# Altium PCB 光轴hitbox.pcbdoc
Units mil, origin at the board's own origin, x right, y up, seen from the top; angles counter-clockwise.
Board outline 10826.75 x 7086.6 mil, 2 copper layers (Top Layer, Bottom Layer), stack 62.206 mil thick; 60 components, 49 nets, 236 pads, 79 vias.
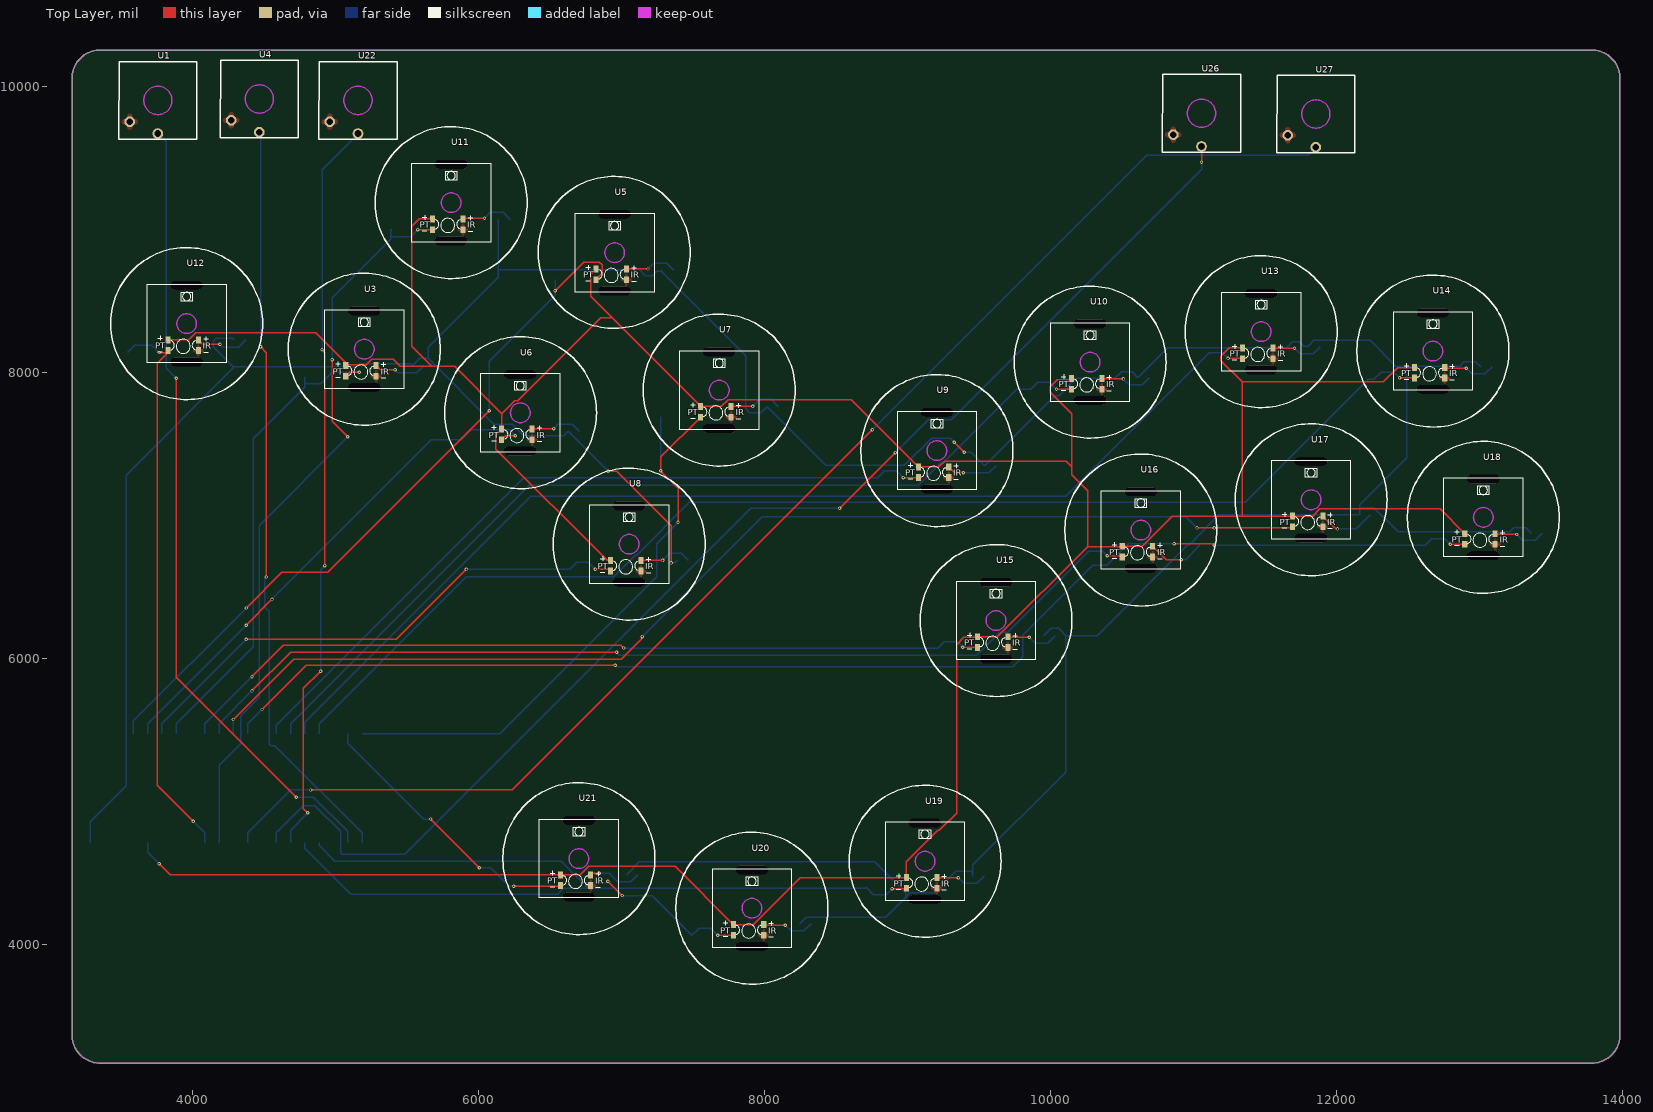
[diagram p0: Top Layer view]
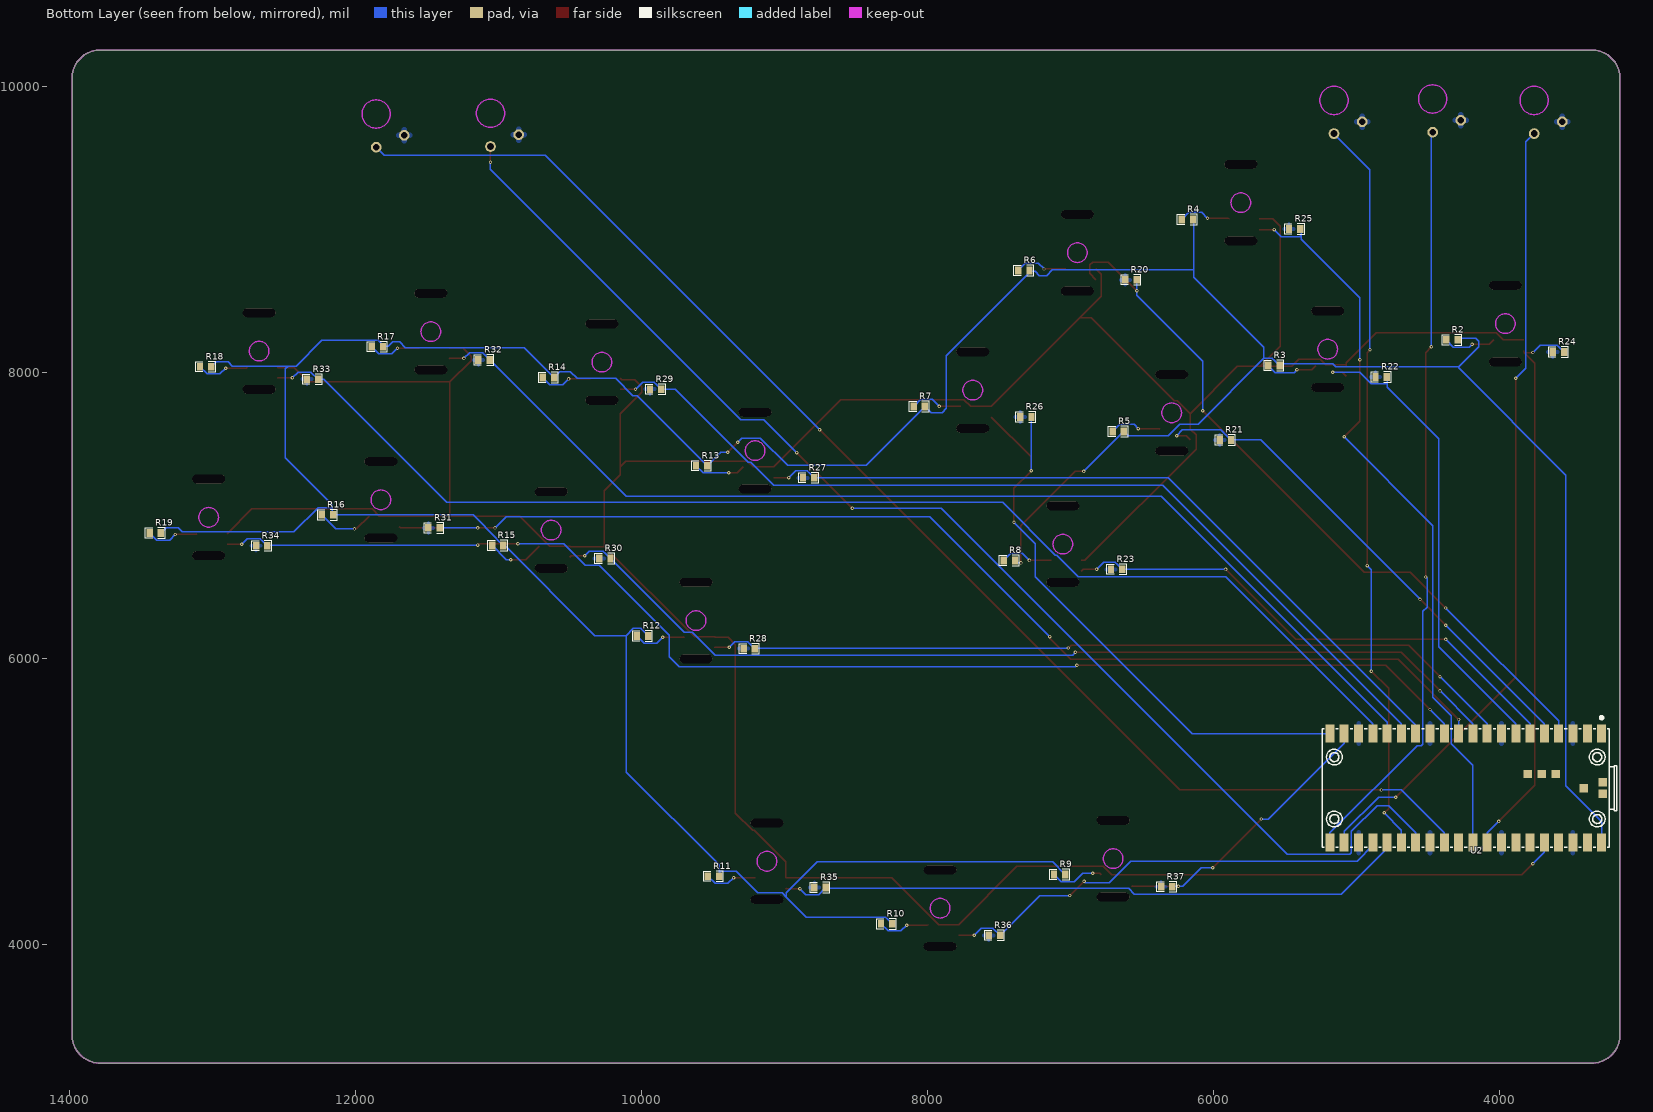
[diagram p1: Bottom Layer view, seen from below]

## Layer stack, top to bottom
Top Solder Mask Layer: solder mask 0.394, Dk 3.3
Top Layer: signal copper 1.379
Dielectric1: surface 59.449, FR4, Dk 4.5
Bottom Layer: signal copper 1.378
Bottom Solder Mask Layer: solder mask 0.394, Dk 3.3

## Board outline
3155,10060.15 cw(c3351.85,10060.15) 3351.85,10257 13784.9,10257 cw(c13784.9,10060.15) 13981.75,10060.15 13981.75,3367.25 cw(c13784.9,3367.25) 13784.9,3170.4 3351.85,3170.4 cw(c3351.85,3367.25) 3155,3367.25

## Design rules (kind name [scope] priority, off if disabled: settings)
BoardOutlineClearance Default [All] p0: genericclearance=10 ignorepadtopadclearanceinfootprint=FALSE except(0: Arc-SplitContinuation Track-SplitContinuation SMDPad-SplitContinuation THPad-SplitContinuation Via-SplitContinuation Fill-SplitContinuation Poly-SplitContinuation Region-SplitContinuation Text-SplitContinuation)
BoardOutlineClearance Plane_Default [All] p0: genericclearance=10 ignorepadtopadclearanceinfootprint=FALSE except(0: Arc-SplitContinuation Track-SplitContinuation SMDPad-SplitContinuation THPad-SplitContinuation Via-SplitContinuation Fill-SplitContinuation Poly-SplitContinuation Region-SplitContinuation Text-SplitContinuation)
BoardOutlineClearance Copper_Default [All] p0: genericclearance=10 ignorepadtopadclearanceinfootprint=FALSE except(0: Arc-SplitContinuation Track-SplitContinuation SMDPad-SplitContinuation THPad-SplitContinuation Via-SplitContinuation Fill-SplitContinuation Poly-SplitContinuation Region-SplitContinuation Text-SplitContinuation)
BoardOutlineClearance Copper_gge31805 [All] p0: genericclearance=10 ignorepadtopadclearanceinfootprint=FALSE except(0: Arc-SplitContinuation Track-SplitContinuation SMDPad-SplitContinuation THPad-SplitContinuation Via-SplitContinuation Fill-SplitContinuation Poly-SplitContinuation Region-SplitContinuation Text-SplitContinuation)
BoardOutlineClearance Copper_gge31799 [All] p0: genericclearance=10 ignorepadtopadclearanceinfootprint=FALSE except(0: Arc-SplitContinuation Track-SplitContinuation SMDPad-SplitContinuation THPad-SplitContinuation Via-SplitContinuation Fill-SplitContinuation Poly-SplitContinuation Region-SplitContinuation Text-SplitContinuation)
BoardOutlineClearance otherClearance [All] p0: genericclearance=10 ignorepadtopadclearanceinfootprint=FALSE except(0: Arc-SplitContinuation Track-SplitContinuation SMDPad-SplitContinuation THPad-SplitContinuation Via-SplitContinuation Fill-SplitContinuation Poly-SplitContinuation Region-SplitContinuation Text-SplitContinuation)
Clearance Default [All] p1: gap=7 ignorepadtopadclearanceinfootprint=FALSE
Clearance Plane_Default [All] p1: gap=7 ignorepadtopadclearanceinfootprint=FALSE
Clearance Copper_Default [All] p1: gap=7 ignorepadtopadclearanceinfootprint=FALSE
Clearance Copper_gge31805 [All] p1: gap=7 ignorepadtopadclearanceinfootprint=FALSE
Clearance Copper_gge31799 [All] p1: gap=7 ignorepadtopadclearanceinfootprint=FALSE
Clearance otherClearance [All] p1: gap=7 ignorepadtopadclearanceinfootprint=FALSE
DiffPairsRouting differentialPair [All] p1: maxuncoupledlength=10 minlimit=6 maxlimit=Infinity mostfreqgap=6 toplayer_minwidth=5 toplayer_prefwidth=10 toplayer_maxwidth=100 bottomlayer_minwidth=5 bottomlayer_prefwidth=10 bottomlayer_maxwidth=100
PasteMaskExpansion Common [All] p1: expansion=0
PlaneConnect Default [All] p1: planeconnectstyle=Relief reliefexpansion=20 reliefentries=4 reliefconductorwidth=0 reliefairgap=10
PolygonConnect Default [All] p1: connectstyle=Relief reliefentries=4 reliefconductorwidth=0 polygonreliefangle="90 Angle" airgapwidth=1
PolygonConnect gge31805 [All] p1: connectstyle=Relief reliefentries=4 reliefconductorwidth=0 polygonreliefangle="90 Angle" airgapwidth=1
PolygonConnect gge31799 [All] p1: connectstyle=Relief reliefentries=4 reliefconductorwidth=0 polygonreliefangle="90 Angle" airgapwidth=1
RoutingVias Default [All] p1: viastyle="Through Hole" holewidth=12 minholewidth=12 maxholewidth=2362 width=12 minwidth=12 maxwidth=2362
SolderMaskExpansion Common [All] p1: useseparateexpansions=TRUE expansion=2 expansionbottom=2
Width Default [All] p1: maxlimit=1000 minlimit=10 preferedwidth=10

## Components (designator, comment, footprint, x,y, rotation, side; value= is the part's Value field where it differs from the comment)
R2 "R0805" R0805 4330,8230 r180 bottom
R3 "R0805" R0805 5575,8050 r180 bottom
R4 "R0805" R0805 6180.57,9071.15 r180 bottom
R5 "R0805" R0805 6664.02,7589.57 r180 bottom
R6 "R0805" R0805 7324.02,8715.89 r180 bottom
R7 "R0805" R0805 8055.85,7763.26 r180 bottom
R8 "R0805" R0805 7425.71,6686.94 r180 bottom
R9 "R0805" R0805 7073.94,4489.69 r180 bottom
R10 "R0805" R0805 8284.51,4145.25 r180 bottom
R11 "R0805" R0805 9495.3,4478.58 r180 bottom
R12 "R0805" R0805 9991.63,6159.14 r180 bottom
R13 "R0805" R0805 9578.55,7349.88 r180 bottom
R14 "R0805" R0805 10649.71,7966.55 r180 bottom
R15 "R0805" R0805 11004.55,6791.94 r180 bottom
R16 "R0805" R0805 12195.58,7005.94 r180 bottom
R17 "R0805" R0805 11846.28,8181.27 r180 bottom
R18 "R0805" R0805 13047.73,8041.79 r180 bottom
R19 "R0805" R0805 13400.33,6878.64 r180 bottom
R20 "R0805" R0805 6575,8650 r180 bottom
R21 "R0805" R0805 5915,7530 r180 bottom
R22 "R0805" R0805 4825,7970 r180 bottom
R23 "R0805" R0805 6675,6625 r180 bottom
R24 "R0805" R0805 3585,8145 r180 bottom
R25 "R0805" R0805 5430,9005 r180 bottom
R26 "R0805" R0805 7310,7690 r180 bottom
R27 "R0805" R0805 8830,7265 r180 bottom
R28 "R0805" R0805 9245,6070 r180 bottom
R29 "R0805" R0805 9900,7885 r180 bottom
R30 "R0805" R0805 10255,6700 r180 bottom
R31 "R0805" R0805 11450,6915 r180 bottom
R32 "R0805" R0805 11100,8090 r180 bottom
R33 "R0805" R0805 12300,7955 r180 bottom
R34 "R0805" R0805 12655,6790 r180 bottom
R35 "R0805" R0805 8750,4400 r180 bottom
R36 "R0805" R0805 7530,4065 r180 bottom
R37 "R0805" R0805 6325,4405 r180 bottom
U1 "KAIHUA" KAIHUA 3755,9905 r0 top
U2 "COMM-SMD_L51.0-W21.0-P2.54_PICOW" COMM-SMD_L51.0-W21.0-P2.54_PICOW 4230,5095 r0 bottom
U3 "KC_OPTSW_1U" KC_OPTSW_1U 5198.98,8164.75 r0 top
U4 "KAIHUA" KAIHUA 4465,9915 r0 top
U5 "KC_OPTSW_1U" KC_OPTSW_1U 6950,8840 r0 top
U6 "KC_OPTSW_1U" KC_OPTSW_1U 6290,7720 r0 top
U7 "KC_OPTSW_1U" KC_OPTSW_1U 7681.83,7878.5 r0 top
U8 "KC_OPTSW_1U" KC_OPTSW_1U 7051.69,6801.41 r0 top
U9 "KC_OPTSW_1U" KC_OPTSW_1U 9204.53,7455.62 r0 top
U10 "KC_OPTSW_1U" KC_OPTSW_1U 10275.69,8074.4 r0 top
U11 "KC_OPTSW_1U" KC_OPTSW_1U 5806.55,9190 r0 top
U12 "KC_OPTSW_1U" KC_OPTSW_1U 3956.34,8343.94 r0 top
U13 "KC_OPTSW_1U" KC_OPTSW_1U 11472.26,8287.65 r0 top
U14 "KC_OPTSW_1U" KC_OPTSW_1U 12673.71,8151.72 r0 top
U15 "KC_OPTSW_1U" KC_OPTSW_1U 9617.61,6266.73 r0 top
U16 "KC_OPTSW_1U" KC_OPTSW_1U 10630.53,6899.77 r0 top
U17 "KC_OPTSW_1U" KC_OPTSW_1U 11821.56,7111.51 r0 top
U18 "KC_OPTSW_1U" KC_OPTSW_1U 13026.31,6988.63 r0 top
U19 "KC_OPTSW_1U" KC_OPTSW_1U 9121.27,4583.01 r0 top
U20 "KC_OPTSW_1U" KC_OPTSW_1U 7910.49,4254.68 r0 top
U21 "KC_OPTSW_1U" KC_OPTSW_1U 6699.92,4601.65 r0 top
U22 "KAIHUA" KAIHUA 5155,9905 r0 top
U26 "KAIHUA" KAIHUA 11055,9815 r0 top
U27 "KAIHUA" KAIHUA 11855,9810 r0 top

## Footprints (in the part's own frame and the unit in brackets; to place one, negate y for a bottom-side part, rotate by r counter-clockwise, add the part's x,y. Pads: shape width x height; smd on the part's side, far side on the other; paste and mask are expansions set on the pad)
COMM-SMD_L51.0-W21.0-P2.54_PICOW [mm]
  rect 1.6x3.2 smd: 1(-24.045,-9.69) 2(-21.505,-9.69) 3(-18.965,-9.69) 4(-16.425,-9.69) 5(-13.885,-9.69) 6(-11.345,-9.69) 7(-8.805,-9.69) 8(-6.265,-9.69) 9(-3.725,-9.69) 10(-1.185,-9.69) 11(1.355,-9.69) 12(3.895,-9.69) 13(6.435,-9.69) 14(8.975,-9.69) 15(11.515,-9.69) 16(14.055,-9.69) 17(16.595,-9.69) 18(19.135,-9.69) 19(21.675,-9.69) 20(24.215,-9.69) 21(24.215,9.69) 22(21.675,9.69) 23(19.135,9.69) 24(16.595,9.69) 25(14.055,9.69) 26(11.515,9.69) 27(8.975,9.69) 28(6.435,9.69) 29(3.895,9.69) 30(1.355,9.69) 31(-1.185,9.69) 32(-3.725,9.69) 33(-6.265,9.69) 34(-8.805,9.69) 35(-11.345,9.69) 36(-13.885,9.69) 37(-16.425,9.69) 38(-18.965,9.69) 39(-21.505,9.69) 40(-24.045,9.69)
  rect 1.5x1.5 smd: TP1(-20.915,0) TP2(-24.215,1) TP3(-24.215,-1) TP4(-15.915,-2.5) TP5(-13.415,-2.5) TP6(-10.915,-2.5)
  silkscreen extent -26.71,-12.75 25.58,10.5
KAIHUA [mm]
  round 1.905 hole 1.2: K1(0,-5.9) K2(-5,-3.8)
  Board Outline Layer circle w0.003: c0,0 r2.51
  Board Outline Layer region: 2.51,0 2.261,-1.089 1.565,-1.962 0.559,-2.447 -0.559,-2.447 -1.565,-1.962 -2.261,-1.089 -2.51,0 -2.51,0 -2.261,1.089 -1.565,1.962 -0.559,2.447 0.559,2.447 1.565,1.962 2.261,1.089 2.51,0
  Board Outline Layer region: 2.51,0 2.261,-1.089 1.565,-1.962 0.559,-2.447 -0.559,-2.447 -1.565,-1.962 -2.261,-1.089 -2.51,0 -2.51,0 -2.261,1.089 -1.565,1.962 -0.559,2.447 0.559,2.447 1.565,1.962 2.261,1.089 2.51,0
  silkscreen extent -6.93,-6.9 6.93,6.9
KC_OPTSW_1U [mm]
  oval 5.8x1.5 hole 1.5 slot 5.8 at 0 deg unplated: 0(0,-6.8) 0(0,6.8)
  rect 0.9x1.2 smd: 1(2.1,-2.9) 2(2.1,-4.8) 3(-3.3,-4.8) 4(-3.3,-2.9)
  Board Outline Layer circle w0.003: c0,0 r1.75
  Board Outline Layer region: 1.75,0 1.577,-0.759 1.091,-1.368 0.389,-1.706 -0.389,-1.706 -1.091,-1.368 -1.577,-0.759 -1.75,0 -1.75,0 -1.577,0.759 -1.091,1.368 -0.389,1.706 0.389,1.706 1.091,1.368 1.577,0.759 1.75,0
  Board Outline Layer region: 1.75,0 1.577,-0.759 1.091,-1.368 0.389,-1.706 -0.389,-1.706 -1.091,-1.368 -1.577,-0.759 -1.75,0 -1.75,0 -1.577,0.759 -1.091,1.368 -0.389,1.706 0.389,1.706 1.091,1.368 1.577,0.759 1.75,0
  silkscreen extent -7,-7 7,7
R0805 [mil]
  rect 44.59x54.21 smd: 1(-39.38,0) 2(39.38,0)
  silkscreen extent -69,-36 69,36

## Via types
v1: diameter 24.02, hole 12.01, Top Layer to Bottom Layer, 79 vias

## Nets (pads, with @x,y where several pads share a name; then routed paths per layer and width w, separated by ;. In a path a pad name is that pad's centre, name@x,y a point inside that pad or via, vN(x,y) a via of type N, cw(c..) or ccw(c..) an arc to the next point about the centre after c; other vN are vias at no path point)
3V3_EN: U2.37
3V3_OUT: U2.36 U3.4 U5.4 U6.4 U7.4 U8.4 U9.4 U10.4 U11.4 U12.4 U13.4 U14.4 U15.4 U16.4 U17.4 U18.4 U19.4 U20.4 U21.4 | length 25993.9
  Top Layer w10: v1(3763.35,4565.51) 3841.38,4487.48 U21.4 6710,4487.48 6770,4547.48 7373.6,4547.48 U20.4 7920.57,4140.51 8248.9,4468.84 U19.4 8991.35,4578.84 9211.35,4798.84 9221.35,4798.84 9341.35,4918.84 9341.35,6098.84 9391.35,6148.84 9483.96,6148.84 U15.4 9627.69,6152.56 10257.69,6782.56 ; U12.4 3969.87,8229.77 4019.87,8279.77 4859.87,8279.77 5069.06,8070.58 U3.4 5072.8,8054.33 5211.91,8054.33 5251.91,8094.33 5401.91,8094.33 5451.91,8044.33 5671.91,8044.33 ; U11.4 5583.41,9075.83 5531.91,9024.33 5531.91,8184.33 5671.91,8044.33 ; U5.4 6781.91,8687.66 6781.91,8534.33 6931.91,8384.33 ; U8.4 6898.67,6687.24 6120.08,7465.83 6120.08,7565.83 U6.4 6161.91,7607.66 6161.91,7714.33 ; U10.4 10138.1,7952.56 10047.69,7952.56 9997.69,7902.56 9997.69,7862.56 10147.69,7712.56 10147.69,7342.56 ; U13.4 11248.49,8173.48 11190.61,8115.6 11190.61,8085.6 11340.61,7935.6 ; U14.4 12541.84,8035.6 12428.01,8035.6 12328.01,7935.6 11340.61,7935.6 ; U18.4 12723.51,7047.34 11881.64,7047.34 11831.64,6997.34 U17.4 11689.91,6995.6 11340.61,6995.6 ; 5671.91,8044.33 5831.91,8044.33 6161.91,7714.33 ; 6161.91,7714.33 6251.91,7804.33 6271.91,7804.33 6851.91,8384.33 6931.91,8384.33 ; 6931.91,8384.33 U7.4 7697.5,7764.33 7744.61,7811.45 8604.61,7811.45 U9.4 9216.58,7341.45 9257.69,7382.56 10107.69,7382.56 10147.69,7342.56 ; 10147.69,7342.56 10147.69,7286.26 10257.69,7176.26 10257.69,6782.56 ; 10257.69,6782.56 10497.56,6782.56 U16.4 10640.61,6785.61 10850.61,6995.6 11340.61,6995.6 ; 11340.61,6995.6 11340.61,7935.6
  Bottom Layer w10: U2.36 3683.35,4645.51 v1(3763.35,4565.51)
GND: R20.1 R21.1 R22.1 R23.1 R24.1 R25.1 R26.1 R27.1 R28.1 R29.1 R30.1 R31.1 R32.1 R33.1 R34.1 R35.1 R36.1 R37.1 U1.K2 U2.3 U2.8 U2.13 U2.18 U2.23 U2.28 U2.33 U2.38 U3.2 U4.K2 U5.2 U6.2 U7.2 U8.2 U9.2 U10.2 U11.2 U12.2 U13.2 U14.2 U15.2 U16.2 U17.2 U18.2 U19.2 U20.2 U21.2 U22.K2 U26.K2 U27.K2
GP0: U2.1
GP1: U2.2
GP2: R20.2 U2.4 U5.3 | length 5126.3
  Top Layer w10: v1(4373.35,6354.48) 4623.35,6604.48 4943.35,6604.48 v1(6073.35,7734.48) ; v1(6533.35,8574.48) 6733.35,8774.48 6843.35,8774.48 6863.35,8754.48 6863.35,8694.29 U5.3
  Bottom Layer w10: U2.4 3583.35,5564.48 v1(4373.35,6354.48) ; v1(6073.35,7734.48) 6073.35,8081.96 6533.35,8541.96 v1(6533.35,8574.48) 6533.35,8647.72 R20.2
GP3: R21.2 U2.5 U6.3 | length 3615.8
  Top Layer w10: v1(4373.35,6234.48) v1(4553.35,6414.48) ; U6.3 6189.06,7560 v1(6255.62,7560)
  Bottom Layer w10: U2.5 3683.35,5544.48 v1(4373.35,6234.48) ; v1(4553.35,6414.48) 5668.87,7530 R21.2 5945.62,7600 6215.62,7600 v1(6255.62,7560)
GP4: R23.2 U2.6 U8.3 | length 3700.6
  Top Layer w10: v1(4373.35,6134.48) 5423.35,6134.48 v1(5913.35,6624.48) ; v1(6815.63,6625) 6909.2,6625 U8.3
  Bottom Layer w10: U2.6 3783.35,5544.48 v1(4373.35,6134.48) ; v1(5913.35,6624.48) 6635.11,6624.48 R23.2 6685.63,6675 6765.63,6675 v1(6815.63,6625)
GP5: R22.2 U2.7 U3.3 | length 3390.7
  Top Layer w10: U3.3 5097.76,8004.48 v1(5163.35,8004.48)
  Bottom Layer w10: U2.7 3883.35,5544.48 4423.35,6084.48 4423.35,7539.36 4783.35,7899.36 4783.35,7934.48 ; R22.2 4783.35,7967.72 4783.35,7934.48 ; v1(5163.35,8004.48) 4973.35,8004.48 4893.35,7924.48 4793.35,7924.48 4783.35,7934.48
GP6: R28.2 U2.9 U15.3 | length 5748.5
  Top Layer w10: v1(4413.35,5874.48) 4633.35,6094.48 6993.35,6094.48 v1(7013.35,6074.48) ; v1(9385.63,6080) 9485.44,6080 U15.3
  Bottom Layer w10: U2.9 4083.35,5544.48 v1(4413.35,5874.48) ; v1(7013.35,6074.48) 9201.14,6074.48 R28.2 9255.63,6120 9345.63,6120 v1(9385.63,6080)
GP7: R30.2 U2.10 U16.3 | length 6917.4
  Top Layer w10: v1(4413.35,5774.48) 4683.35,6044.48 v1(6963.35,6044.48) ; v1(10395.63,6720) 10491.41,6720 U16.3
  Bottom Layer w10: U2.10 4183.35,5544.48 v1(4413.35,5774.48) ; v1(6963.35,6044.48) 6983.35,6024.48 9483.34,6024.48 9643.34,6184.48 9700.11,6184.48 R30.2 10265.63,6750 10365.63,6750 v1(10395.63,6720)
GP8: R31.2 U2.11 U17.3 | length 8404.3
  Top Layer w10: v1(4283.35,5574.48) 4705.19,5996.32 6995.19,5996.32 7143.35,6144.48 v1(7143.35,6154.48) ; v1(11023.34,6914.48) v1(11143.34,6914.48) 11683.6,6914.48 U17.3
  Bottom Layer w10: U2.11 v1(4283.35,5574.48) ; v1(7143.35,6154.48) 7983.34,6994.48 10943.34,6994.48 v1(11023.34,6914.48) ; v1(11143.34,6914.48) 11410.11,6914.48 R31.2
GP9: R34.2 U2.12 U18.3 | length 9242.5
  Top Layer w10: v1(4483.35,5644.48) 4793.35,5954.48 v1(6953.35,5954.48) ; v1(10863.34,6804.48) 11133.34,6804.48 v1(11143.34,6794.48) ; v1(12795.63,6800) 12896.04,6800 U18.3
  Bottom Layer w10: U2.12 4383.35,5544.48 v1(4483.35,5644.48) ; v1(6953.35,5954.48) 6963.35,5944.48 9733.34,5944.48 9803.34,6014.48 9803.34,6164.48 10293.34,6654.48 10393.34,6654.48 10543.34,6804.48 v1(10863.34,6804.48) ; v1(11143.34,6794.48) 12611.14,6794.48 R34.2 12665.63,6839.99 12755.63,6839.99 v1(12795.63,6800)
GP10: R27.2 U2.14 U9.3 | length 5306.8
  Top Layer w10: v1(8968.98,7266.64) U9.3
  Bottom Layer w10: U2.14 4583.35,5534.48 6313.35,7264.48 8790.11,7264.48 R27.2 8840.63,7314.99 8920.63,7314.99 v1(8968.98,7266.64)
GP11: R29.2 U2.15 U10.3 | length 6541.5
  Top Layer w10: v1(10040.62,7885) 10145.35,7885 U10.3
  Bottom Layer w10: U2.15 4683.35,5544.48 6353.35,7214.48 9073.34,7214.48 9233.34,7374.48 9253.34,7374.48 9763.34,7884.48 9860.1,7884.48 R29.2 9910.62,7935 9990.62,7935 v1(10040.62,7885)
GP12: R32.2 U2.16 U13.3 | length 7725.1
  Top Layer w10: v1(11240.63,8100) 11341.01,8100 U13.3
  Bottom Layer w10: U2.16 4783.35,5554.48 6363.35,7134.48 10105.11,7134.48 R32.2 11110.63,8140 11200.63,8140 v1(11240.63,8100)
GP13: R33.2 U2.17 U14.3 | length 8765.1
  Top Layer w10: v1(12440.63,7965) 12541.53,7965 U14.3
  Bottom Layer w10: U2.17 4883.35,5544.48 5913.35,6574.48 6943.35,6574.48 7093.35,6724.48 7103.35,6724.48 7473.35,7094.48 11360.66,7094.48 12220.66,7954.48 12260.11,7954.48 R33.2 12310.63,8005 12400.63,8005 v1(12440.63,7965)
GP14: R37.2 U2.19 U21.3 | length 2014.3
  Top Layer w10: v1(5663.35,4878.5) v1(6003.35,4538.5) ; v1(6243.35,4408.5) 6565.82,4408.5 U21.3
  Bottom Layer w10: U2.19 5083.35,5408.5 5613.35,4878.5 v1(5663.35,4878.5) ; v1(6003.35,4538.5) 6082.09,4538.5 6212.09,4408.5 v1(6243.35,4408.5) 6282.12,4408.5 R37.2
GP15: R26.2 U2.20 U7.3 | length 4233.7
  Top Layer w10: v1(7393.35,6954.48) 7393.35,7190.7 7273.35,7310.7 v1(7273.35,7314.48) 7273.35,7410.96 U7.3
  Bottom Layer w10: U2.20 6145.36,5476.49 7243.35,6574.48 7243.35,6804.48 v1(7393.35,6954.48) ; R26.2 7273.35,7687.28 v1(7273.35,7314.48)
GP16: U2.21 U4.K1 | length 5292.6
  Top Layer w10: v1(4473.35,8181.48) 4513.35,8141.48 v1(4513.35,6571.49)
  Bottom Layer w10: U4.K1 4473.35,9674.37 v1(4473.35,8181.48) ; v1(4513.35,6571.49) 4503.35,6561.49 4503.35,6361.41 4533.35,6331.41 4533.35,5401.49 4543.35,5391.49 4573.35,5391.49 5183.35,4781.49 U2.21
GP17: U1.K1 U2.22 | length 5579.7
  Top Layer w10: v1(3883.35,7961.48) 3883.35,5871.49 v1(4723.35,5031.49)
  Bottom Layer w10: U1.K1 3813.35,9614.37 3813.35,8031.48 v1(3883.35,7961.48) ; v1(4723.35,5031.49) 4843.35,5031.49 5083.35,4791.49 U2.22
GP18: R36.2 U2.24 U20.3 | length 3227.6
  Top Layer w10: v1(6903.35,4443.5) v1(7003.35,4343.5) ; v1(7670.62,4065) 7779.86,4065 U20.3
  Bottom Layer w10: U2.24 4883.35,4693.5 4993.35,4583.5 6578.31,4583.5 6728.31,4433.5 6893.35,4433.5 v1(6903.35,4443.5) ; v1(7003.35,4343.5) 7212.12,4343.5 R36.2 7540.63,4115 7620.62,4115 v1(7670.62,4065)
GP19: R35.2 U2.25 U19.3 | length 4438.8
  Top Layer w10: v1(8890.63,4390) 8987.32,4390 U19.3
  Bottom Layer w10: U2.25 4783.35,4673.5 5103.35,4353.5 6550.83,4353.5 6590.83,4393.5 8704.13,4393.5 R35.2 8760.63,4350 8850.63,4350 v1(8890.63,4390)
GP20: U2.26 U22.K1 | length 5196
  Top Layer w10: v1(4803.35,4921.49) 4773.35,4951.49 4773.35,5791.49 v1(4893.35,5911.49) ; v1(4903.35,8161.48) 4923.35,8141.48 v1(4923.35,6651.49)
  Bottom Layer w10: U2.26 4683.35,4801.49 v1(4803.35,4921.49) ; v1(4893.35,5911.49) 4893.35,6621.49 v1(4923.35,6651.49) ; v1(4903.35,8161.48) 4903.35,9421.07 U22.K1
GP21: U2.27 U26.K1 | length 8991.4
  Top Layer w10: v1(8523.34,7051.49) v1(8913.34,7441.49) ; v1(11055,9473.14) U26.K1
  Bottom Layer w10: U2.27 4583.35,4781.49 4773.35,4971.49 4853.35,4971.49 5033.35,4791.49 5033.35,4641.49 5043.35,4631.49 5483.35,4631.49 7903.34,7051.49 v1(8523.34,7051.49) ; v1(8913.34,7441.49) 9143.34,7671.49 9303.34,7671.49 11055,9423.14 v1(11055,9473.14)
GP22: U2.29 U27.K1 | length 9526.3
  Top Layer w10: v1(4823.35,5081.49) 6233.35,5081.49 v1(8753.34,7601.49)
  Bottom Layer w10: U2.29 4383.35,4781.49 4683.35,5081.49 v1(4823.35,5081.49) ; v1(8753.34,7601.49) 10673.34,9521.48 11798.76,9521.48 U27.K1
GP26: R25.2 U2.31 U11.3 | length 5201
  Top Layer w10: v1(4973.35,8091.48) 4973.35,7661.49 v1(5083.35,7551.49) ; v1(5573.35,9001.48) 5676.16,9001.48 U11.3
  Bottom Layer w10: U2.31 4183.35,5253.93 4333.35,5403.93 4333.35,5601.49 4463.35,5731.49 4463.35,6931.49 v1(5083.35,7551.49) ; v1(4973.35,8091.48) 4973.35,8523.92 5383.35,8933.92 5383.35,8961.48 ; R25.2 5383.35,8997.72 5383.35,8961.48 ; v1(5573.35,9001.48) 5523.35,8951.48 5393.35,8951.48 5383.35,8961.48
GP27: R24.2 U2.32 U12.3 | length 3928
  Top Layer w10: v1(3763.35,8141.48) U12.3@3823.35,8141.48 ; U12.3 U12.3@3823.35,8141.48 ; v1(4003.35,4861.49) 3750,5114.84 3750,8068.13 U12.3@3823.35,8141.48
  Bottom Layer w10: R24.2 3592.11,8191.48 3713.35,8191.48 v1(3763.35,8141.48) ; v1(4003.35,4861.49) 4083.35,4781.49 U2.32
GP28: U2.34
IR1: R2.1 U12.1 | length 371.7
  Top Layer w10: U12.1 4068.79,8200 v1(4189.38,8200)
  Bottom Layer w10: v1(4189.38,8200) 4209.38,8180 4319.38,8180 R2.1
IR2: R3.1 U3.1 | length 374.4
  Top Layer w10: U3.1 5312.24,8020 v1(5414.37,8020)
  Bottom Layer w10: v1(5414.37,8020) 5434.37,8000 5564.37,8000 R3.1
IR3: R4.1 U11.1 | length 370.2
  Top Layer w10: U11.1 5894.55,9081.15 v1(6039.95,9081.15)
  Bottom Layer w10: v1(6039.95,9081.15) 6079.95,9121.15 6169.95,9121.15 R4.1
IR4: R5.1 U6.1 | length 365.4
  Top Layer w10: U6.1 6376.42,7609.57 v1(6523.39,7609.57)
  Bottom Layer w10: v1(6523.39,7609.57) 6553.39,7639.57 6653.39,7639.57 R5.1
IR5: R6.1 U5.1 | length 367.9
  Top Layer w10: U5.1@7032.74,8725.89 v1(7183.39,8725.89)
  Bottom Layer w10: v1(7183.39,8725.89) 7223.39,8765.88 7313.39,8765.88 R6.1
IR6: R8.1 U8.1 | length 372
  Top Layer w10: U8.1 v1(7285.39,6687.24)
  Bottom Layer w10: v1(7285.39,6687.24) 7335.08,6736.94 7415.08,6736.94 R8.1
IR7: R7.1 U7.1 | length 371.7
  Top Layer w10: U7.1 v1(7916.3,7764.33)
  Bottom Layer w10: v1(7916.3,7764.33) 7965.22,7813.25 8045.22,7813.25 R7.1
IR8: R9.1 U21.1 | length 381.3
  Top Layer w10: U21.1 6794.81,4499.69 v1(6843.31,4499.69)
  Bottom Layer w10: v1(6843.31,4499.69) 6913.31,4499.69 6973.31,4439.69 7063.31,4439.69 R9.1
IR9: R10.1 U20.1 | length 370.2
  Top Layer w10: U20.1 7998.44,4135.25 v1(8143.88,4135.25)
  Bottom Layer w10: v1(8143.88,4135.25) 8183.88,4095.25 8273.88,4095.25 R10.1
IR10: R11.1 U19.1 | length 367.7
  Top Layer w10: U19.1@9204.22,4468.58 v1(9354.67,4468.58)
  Bottom Layer w10: v1(9354.67,4468.58) 9394.67,4428.58 9484.67,4428.58 R11.1
IR11: R12.1 U15.1 | length 369.4
  Top Layer w10: U15.1 9703.72,6149.13 v1(9851,6149.13)
  Bottom Layer w10: v1(9851,6149.13) 9891,6109.13 9981,6109.13 R12.1
IR12: R13.1 U9.1 | length 368.6
  Top Layer w10: U9.1 9328.78,7299.88 v1(9387.92,7299.88)
  Bottom Layer w10: v1(9387.92,7299.88) 9567.92,7299.88 R13.1
IR13: R14.1 U10.1 | length 369.5
  Top Layer w10: U10.1 10362.06,7956.54 v1(10509.08,7956.54)
  Bottom Layer w10: v1(10509.08,7956.54) 10549.08,7916.54 10639.08,7916.54 R14.1
IR14: R15.1 U16.1 | length 410.9
  Top Layer w10: U16.1 10806.89,6691.93 v1(10913.93,6691.93)
  Bottom Layer w10: v1(10913.93,6691.93) 10943.93,6691.93 R15.1
IR15: R17.1 U13.1 | length 368.9
  Top Layer w10: U13.1 11557.16,8171.26 v1(11705.65,8171.26)
  Bottom Layer w10: v1(11705.65,8171.26) 11745.65,8131.26 11835.65,8131.26 R17.1
IR16: R16.1 U17.1 | length 408.8
  Top Layer w10: U17.1 11994.25,6907.34 v1(12006.36,6907.34)
  Bottom Layer w10: v1(12006.36,6907.34) 12136.36,6907.34 R16.1
IR17: R18.1 U14.1 | length 370.4
  Top Layer w10: U14.1 12762.15,8031.79 v1(12907.1,8031.79)
  Bottom Layer w10: v1(12907.1,8031.79) 12947.1,7991.79 13037.1,7991.79 R18.1
IR18: R19.1 U18.1 | length 370.4
  Top Layer w10: U18.1 13114.82,6868.63 v1(13259.7,6868.63)
  Bottom Layer w10: v1(13259.7,6868.63) 13299.7,6828.63 13389.7,6828.63 R19.1
VBUS: R2.2 R3.2 R4.2 R5.2 R6.2 R7.2 R8.2 R9.2 R10.2 R11.2 R12.2 R13.2 R14.2 R15.2 R16.2 R17.2 R18.2 R19.2 U2.40 | length 28161.1
  Top Layer w10: v1(6904.65,7309.57) 6964.65,7309.57 7344.65,6929.57 v1(7344.65,6669.57) ; v1(9326.47,7513.25) v1(9396.47,7443.25)
  Bottom Layer w10: U2.40 3283.35,4860.23 3533.35,5110.23 3533.35,7283.77 4283.35,8033.77 4283.35,8041.48 ; R2.2 4279.14,8241.48 4163.35,8241.48 4143.35,8221.48 4143.35,8181.48 4283.35,8041.48 ; R4.2 6135.62,9065.57 6135.62,8720 ; v1(6904.65,7309.57) R5.2 6595.08,7560 6315.62,7560 6235.62,7640 6105.62,7640 5645.62,8100 ; R9.2 7122.83,4577.96 8769.16,4577.96 8985.18,4361.94 8985.18,4331.94 ; R6.2 R6.2@7275.62,8710 ; v1(7344.65,6669.57) 7368.97,6669.57 R8.2 ; R10.2 8291.82,4191.94 8845.18,4191.94 8985.18,4331.94 ; v1(9326.47,7513.25) 9296.47,7543.25 9166.47,7543.25 8976.47,7353.25 8426.47,7353.25 R7.2 7973.21,7720 7895.62,7720 7865.62,7750 7865.62,8120 R6.2@7275.62,8710 ; v1(9396.47,7443.25) 9445.8,7443.25 R13.2 10029.18,7839.87 10059.18,7839.87 10179.17,7959.87 10449.17,7959.87 10495.84,8006.54 10570.34,8006.54 R14.2 10820.34,8176.54 11650.33,8176.54 11690.33,8216.54 11740.33,8216.54 11770.33,8186.54 R17.2@11800.33,8186.54 ; R11.2 9455.18,4479.32 R11.2@9455.18,4501.94 ; R12.2 10005.05,6211.93 10055.18,6211.93 10105.18,6161.93 ; R17.2 R17.2@11800.33,8186.54 ; R18.2 12973.6,8076.54 12890.33,8076.54 12860.33,8046.54 12470.33,8046.54 ; R19.2 13323.04,6916.55 13240.33,6916.55 13210.33,6886.55 12430.33,6886.55 12260.33,7056.55 12170.33,7056.55 12160.33,7046.55 ; 4283.35,8041.48 5143.35,8041.48 5163.35,8061.48 5524.14,8061.48 R3.2 5585.63,8100 5645.62,8100 ; 5645.62,8100 5645.62,8178.74 6135.62,8668.74 6135.62,8720 ; 6135.62,8720 7125.62,8720 7165.62,8680 7215.62,8680 7245.62,8710 R6.2@7275.62,8710 ; 8985.18,4331.94 9015.18,4361.94 9185.18,4361.94 9335.18,4511.94 9445.18,4511.94 R11.2@9455.18,4501.94 ; R11.2@9455.18,4501.94 9455.18,4557.05 10105.18,5207.05 10105.18,6161.93 ; 10105.18,6161.93 10325.18,6161.93 10955.18,6791.93 R15.2 11006.21,6832.97 11006.21,6835.93 11176.21,7005.93 R16.2 12160.33,7010.05 12160.33,7046.55 ; R17.2@11800.33,8186.54 11840.33,8226.54 12235.29,8226.54 12415.29,8046.54 12470.33,8046.54 ; 12160.33,7046.55 12160.33,7075.36 12490.33,7405.36 12490.33,8026.54 12470.33,8046.54
VSYS: U2.39
pads on no net: U2.30 U2.35 U2.TP1 U2.TP2 U2.TP3 U2.TP4 U2.TP5 U2.TP6 U3.0 U5.0 U6.0 U7.0 U8.0 U9.0 U10.0 U11.0 U12.0 U13.0 U14.0 U15.0 U16.0 U17.0 U18.0 U19.0 U20.0 U21.0

## Polygon pours and split planes (outlines as drawn)
GND on Top Layer (solid, remove dead copper, pour order 0): 3000,10335 14085,10335 14085,3000 3000,3000
GND on Bottom Layer (solid, remove dead copper, pour order 2): 3045,10360 14040,10360 14040,3080 3045,3080

## Keep-outs
Board Outline Layer:
  the board outline again, w10

## Silkscreen, mask and mechanical layers (free items; w line width, h text height)
Top Silkscreen Layer:
  circle w9.84: c3956.34,8343.94 r531.5
  circle w9.84: c5806.55,9190 r531.5
  circle w9.84: c6946.89,8842.02 r531.5
  circle w9.84: c7681.83,7878.5 r531.5
  circle w9.84: c5198.98,8164.75 r531.5
  circle w9.84: c6291.73,7720.84 r531.5
  circle w9.84: c7051.69,6801.41 r531.5
  circle w9.84: c9121.28,4583.01 r531.5
  circle w9.84: c6699.92,4601.65 r531.5
  circle w9.84: c9617.61,6266.73 r531.5
  circle w9.84: c9204.53,7455.62 r531.5
  circle w9.84: c10275.69,8074.4 r531.5
  circle w9.84: c10630.53,6899.77 r531.5
  circle w9.84: c11821.56,7111.51 r531.5
  circle w9.84: c13026.31,6988.63 r531.5
  circle w9.84: c11472.26,8287.65 r531.5
  circle w9.84: c12673.71,8151.72 r531.5
  circle w9.84: c7910.49,4254.68 r531.5

## Text inside footprints (layer, text, board x,y; h text height)
U3: Document Layer "Keychron_Sw1u" at 4986.38,8479.71 h43.31; Top Silkscreen Layer "PT" at 4978.51,7987.58 h43.31; Top Silkscreen Layer "IR" at 5313.15,7987.58 h43.31
U5: Document Layer "Keychron_Sw1u" at 6737.4,9154.96 h43.31; Top Silkscreen Layer "PT" at 6729.53,8662.83 h43.31; Top Silkscreen Layer "IR" at 7064.17,8662.83 h43.31
U6: Document Layer "Keychron_Sw1u" at 6077.4,8034.96 h43.31; Top Silkscreen Layer "PT" at 6069.53,7542.83 h43.31; Top Silkscreen Layer "IR" at 6404.17,7542.83 h43.31
U7: Document Layer "Keychron_Sw1u" at 7469.23,8193.46 h43.31; Top Silkscreen Layer "PT" at 7461.36,7701.33 h43.31; Top Silkscreen Layer "IR" at 7796,7701.33 h43.31
U8: Document Layer "Keychron_Sw1u" at 6839.09,7116.37 h43.31; Top Silkscreen Layer "PT" at 6831.22,6624.24 h43.31; Top Silkscreen Layer "IR" at 7165.86,6624.24 h43.31
U9: Document Layer "Keychron_Sw1u" at 8991.93,7770.58 h43.31; Top Silkscreen Layer "PT" at 8984.06,7278.45 h43.31; Top Silkscreen Layer "IR" at 9318.7,7278.45 h43.31
U10: Document Layer "Keychron_Sw1u" at 10063.09,8389.36 h43.31; Top Silkscreen Layer "PT" at 10055.22,7897.23 h43.31; Top Silkscreen Layer "IR" at 10389.86,7897.23 h43.31
U11: Document Layer "Keychron_Sw1u" at 5593.95,9504.96 h43.31; Top Silkscreen Layer "PT" at 5586.08,9012.83 h43.31; Top Silkscreen Layer "IR" at 5920.72,9012.83 h43.31
U12: Document Layer "Keychron_Sw1u" at 3743.74,8658.9 h43.31; Top Silkscreen Layer "PT" at 3735.86,8166.77 h43.31; Top Silkscreen Layer "IR" at 4070.51,8166.77 h43.31
U13: Document Layer "Keychron_Sw1u" at 11259.66,8602.61 h43.31; Top Silkscreen Layer "PT" at 11251.79,8110.48 h43.31; Top Silkscreen Layer "IR" at 11586.43,8110.48 h43.31
U14: Document Layer "Keychron_Sw1u" at 12461.11,8466.68 h43.31; Top Silkscreen Layer "PT" at 12453.24,7974.55 h43.31; Top Silkscreen Layer "IR" at 12787.88,7974.55 h43.31
U15: Document Layer "Keychron_Sw1u" at 9405.01,6581.69 h43.31; Top Silkscreen Layer "PT" at 9397.14,6089.56 h43.31; Top Silkscreen Layer "IR" at 9731.78,6089.56 h43.31
U16: Document Layer "Keychron_Sw1u" at 10417.93,7214.73 h43.31; Top Silkscreen Layer "PT" at 10410.06,6722.6 h43.31; Top Silkscreen Layer "IR" at 10744.7,6722.6 h43.31
U17: Document Layer "Keychron_Sw1u" at 11608.96,7426.47 h43.31; Top Silkscreen Layer "PT" at 11601.09,6934.34 h43.31; Top Silkscreen Layer "IR" at 11935.73,6934.34 h43.31
U18: Document Layer "Keychron_Sw1u" at 12813.71,7303.59 h43.31; Top Silkscreen Layer "PT" at 12805.84,6811.46 h43.31; Top Silkscreen Layer "IR" at 13140.48,6811.46 h43.31
U19: Document Layer "Keychron_Sw1u" at 8908.67,4897.97 h43.31; Top Silkscreen Layer "PT" at 8900.81,4405.84 h43.31; Top Silkscreen Layer "IR" at 9235.44,4405.84 h43.31
U20: Document Layer "Keychron_Sw1u" at 7697.89,4569.64 h43.31; Top Silkscreen Layer "PT" at 7690.02,4077.51 h43.31; Top Silkscreen Layer "IR" at 8024.66,4077.51 h43.31
U21: Document Layer "Keychron_Sw1u" at 6487.32,4916.61 h43.31; Top Silkscreen Layer "PT" at 6479.45,4424.48 h43.31; Top Silkscreen Layer "IR" at 6814.09,4424.48 h43.31